# KiCad board F02-Func-Decoder-p.kicad_pcb (continued)
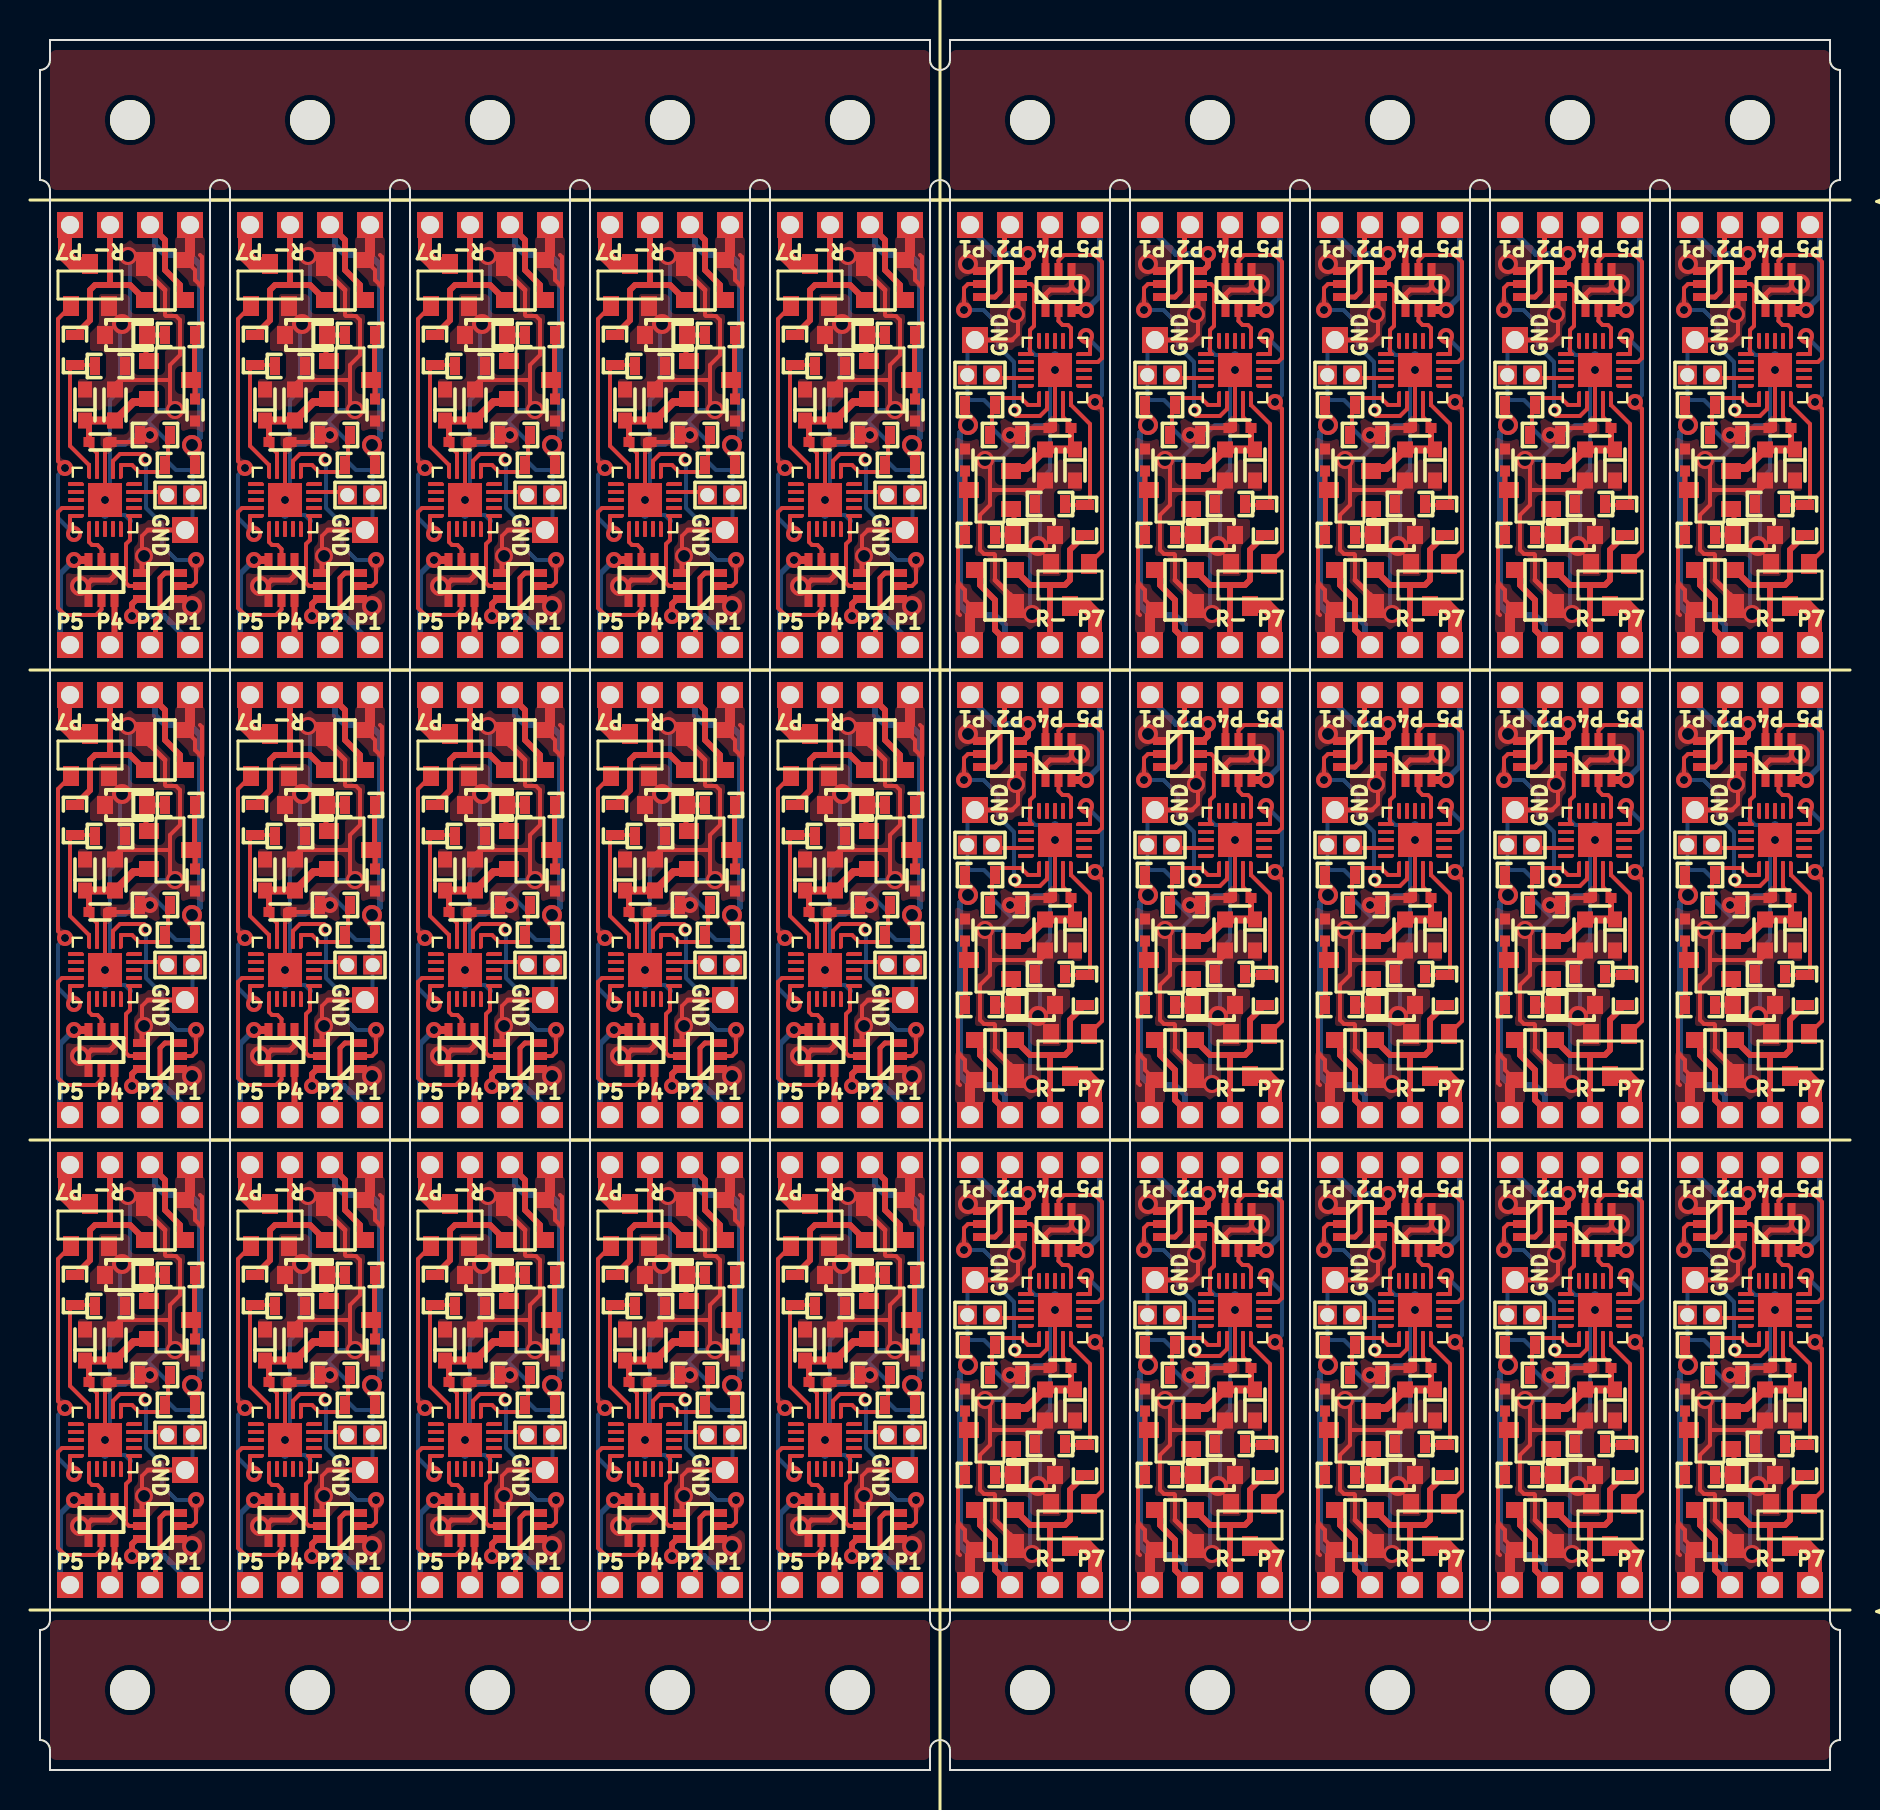
[diagram p0: board, top side]
## Routing (per net, layer and track width the routed paths; a pad name or vN(x,y) marks a point on that pad's centre or on a via; arc(x,y) is an arc through that point) (continued)
  Top w0.2: v3(6.75,68) 6.5,68.25 6.5,69.5 ; 7.25,11.35 7.4,11.2 v2(7.6,11.2) ; 59.75,43.5 U9#2.3 v1(59.75,46.5) ; 56.5,17 59.03,17 59.5,17.47 ; 56.5,17 56.5,18.25 v3(56.25,18.5) ; 56.5,17 56.5,16.25 56,15.75 56,14 56.2,13.8 56.7,13.8 56.75,13.75 56.75,12.5 ; 21.5,69.03 21.97,69.5 24.5,69.5 ; 6.5,46 6.5,44.75 v3(6.75,44.5) ; 6.5,46 3.97,46 3.5,45.53 ; 6.5,46 6.5,46.75 7,47.25 7,49 6.8,49.2 6.3,49.2 6.25,49.25 6.25,50.5 ; 82.75,51.65 82.6,51.8 v2(82.4,51.8) ; 75.6,71.5 75.9,71.8 75.9,72.7 ; 7.25,58.35 7.4,58.2 v2(7.6,58.2) ; 6.5,22.5 3.97,22.5 3.5,22.03 ; 6.5,22.5 6.5,21.25 v3(6.75,21) ; 6.5,22.5 6.5,23.25 7,23.75 7,25.5 6.8,25.7 6.3,25.7 6.25,25.75 6.25,27 ; v2(46.4,51.8) 46.6,51.8 46.75,51.65 ; v2(73.4,75.3) 73.6,75.3 73.75,75.15 ; 83.5,40.5 83.5,39.75 83,39.25 83,37.5 83.2,37.3 83.7,37.3 83.75,37.25 83.75,36 ; 83.5,40.5 86.03,40.5 86.5,40.97 ; 83.5,40.5 83.5,41.75 v3(83.25,42) ; 48.97,43.25 49.32,43.6 50.3,43.6 50.75,44.05 50.75,43.9 C37#2.2 ; v2(43.6,58.2) 43.4,58.2 43.25,58.35 ; 48.6,71.5 48.9,71.8 48.9,72.7 ; 59.5,64.47 59.03,64 56.5,64 ; 14.4,62 14.1,61.7 14.1,60.8 ; 32.1,60.8 32.1,61.7 32.4,62 ; 5.1,37.3 5.1,38.2 5.4,38.5 ; 39.25,43 U10.3 v1(39.25,40) ; 64.75,75.15 64.6,75.3 v2(64.4,75.3) ; v1(68.75,70) U13.3 68.75,67 ; v2(82.4,75.3) 82.6,75.3 82.75,75.15 ; 23.03,43.25 22.68,42.9 21.7,42.9 21.25,42.45 21.25,42.6 C29.2 ; 68.5,40.97 68.03,40.5 65.5,40.5 ; 21.25,66.5 U3#2.3 v1(21.25,63.5) ; 56.5,40.5 59.03,40.5 59.5,40.97 ; 56.5,40.5 56.5,39.75 56,39.25 56,37.5 56.2,37.3 56.7,37.3 56.75,37.25 56.75,36 ; 56.5,40.5 56.5,41.75 v3(56.25,42) ; v1(86.75,46.5) U6.3 86.75,43.5 ; 75.97,19.75 76.32,20.1 77.3,20.1 77.75,20.55 77.75,20.4 C5#2.2 ; 39.5,22.03 39.97,22.5 42.5,22.5 ; 33.5,46 33.5,46.75 34,47.25 34,49 33.8,49.2 33.3,49.2 33.25,49.25 33.25,50.5 ; 33.5,46 30.97,46 30.5,45.53 ; 33.5,46 33.5,44.75 v3(33.75,44.5) ; 6.25,74 6.25,72.75 6.3,72.7 6.8,72.7 7,72.5 7,70.75 6.5,70.25 6.5,69.5 ; 48.9,25.7 48.9,24.8 48.6,24.5 ; 48.9,26.6 Q18.4 ; 59.75,20 U4#2.3 v1(59.75,23) ; 23.1,13.8 23.1,14.7 23.4,15 ; 68.5,17.47 68.03,17 65.5,17 ; 86.75,20 U1#2.3 v1(86.75,23) ; 23.4,62 23.1,61.7 23.1,60.8 ; v3(47.25,65.5) 47.5,65.25 47.5,64 ; 86.75,22.05 86.75,21.5 ; 32.4,38.5 32.1,38.2 32.1,37.3 ; v1(77.75,23) U2.3 77.75,20 ; 42.5,69.5 42.5,68.25 v3(42.75,68) ; 42.5,69.5 42.5,70.25 43,70.75 43,72.5 42.8,72.7 42.3,72.7 42.25,72.75 42.25,74 ; 42.5,69.5 39.97,69.5 39.5,69.03 ; v2(16.6,34.7) 16.4,34.7 16.25,34.85 ; 15.5,22.5 15.5,23.25 16,23.75 16,25.5 15.8,25.7 15.3,25.7 15.25,25.75 15.25,27 ; 15.5,22.5 15.5,21.25 v3(15.75,21) ; 15.5,22.5 12.97,22.5 12.5,22.03 ; 23.4,38.5 23.1,38.2 23.1,37.3 ; 30.25,19.5 U14.3 v1(30.25,16.5) ; C5.2 12.25,66.1 12.25,65.95 12.7,66.4 13.67,66.4 14.03,66.75 ; v1(3.25,40) U6#2.3 3.25,43 ; 33.5,69.5 30.97,69.5 30.5,69.03 ; 33.5,69.5 33.5,68.25 v3(33.75,68) ; 33.5,69.5 33.5,70.25 34,70.75 34,72.5 33.8,72.7 33.3,72.7 33.25,72.75 33.25,74 ; 74.5,40.5 77.03,40.5 77.5,40.97 ; 74.5,40.5 74.5,41.75 v3(74.25,42) ; 74.5,40.5 74.5,39.75 74,39.25 74,37.5 74.2,37.3 74.7,37.3 74.75,37.25 74.75,36 ; 24.5,22.5 24.5,21.25 v3(24.75,21) ; 24.5,22.5 24.5,23.25 25,23.75 25,25.5 24.8,25.7 24.3,25.7 24.25,25.75 24.25,27 ; 24.5,22.5 21.97,22.5 21.5,22.03 ; v2(25.6,58.2) 25.4,58.2 25.25,58.35 ; C41#2.2 3.25,19.1 3.25,18.95 3.7,19.4 4.67,19.4 5.03,19.75 ; v3(74.25,65.5) 74.5,65.25 74.5,64 ; 65.5,64 68.03,64 68.5,64.47 ; 65.5,64 65.5,65.25 v3(65.25,65.5) ; 65.5,64 65.5,63.25 65,62.75 65,61 65.2,60.8 65.7,60.8 65.75,60.75 65.75,59.5 ; 50.5,64.47 50.03,64 47.5,64 ; 5.4,15 5.1,14.7 5.1,13.8 ; 84.97,43.25 85.32,43.6 86.3,43.6 86.75,44.05 86.75,43.9 C21.2 ; 57.6,71.5 57.9,71.8 57.9,72.7 ; 57.6,24.5 57.9,24.8 57.9,25.7 ; 12.25,66.5 U2#2.3 v1(12.25,63.5) ; v1(30.25,63.5) U4.3 30.25,66.5 ; 5.1,59.9 Q2#2.4 ; 84.6,71.5 84.9,71.8 84.9,72.7 ; 83.5,64 86.03,64 86.5,64.47 ; 83.5,64 83.5,63.25 83,62.75 83,61 83.2,60.8 83.7,60.8 83.75,60.75 83.75,59.5 ; 83.5,64 83.5,65.25 v3(83.25,65.5) ; 68.75,43.5 U8.3 v1(68.75,46.5) ; v3(83.25,18.5) 83.5,18.25 83.5,17 ; v1(77.75,46.5) U7#2.3 77.75,43.5 ; 5.03,43.25 4.67,42.9 3.7,42.9 3.25,42.45 3.25,42.6 C21#2.2 ; 75.9,26.6 Q6#2.4 ; 30.25,64.45 30.25,65 ; v1(30.25,40) U9.3 30.25,43 ; v1(50.75,70) U15.3 50.75,67 ; 68.75,69.05 68.75,68.5 ; 74.5,64 77.03,64 77.5,64.47 ; 74.5,64 74.5,63.25 74,62.75 74,61 74.2,60.8 74.7,60.8 74.75,60.75 74.75,59.5 ; 47.5,40.5 47.5,39.75 47,39.25 47,37.5 47.2,37.3 47.7,37.3 47.75,37.25 47.75,36 ; 47.5,40.5 50.03,40.5 50.5,40.97 ; 47.5,40.5 47.5,41.75 v3(47.25,42) ; 46.75,75.15 46.6,75.3 v2(46.4,75.3) ; v2(64.4,28.3) 64.6,28.3 64.75,28.15 ; 73.75,51.65 73.6,51.8 v2(73.4,51.8) ; C45#2.2 12.25,19.1 12.25,18.95 12.7,19.4 13.67,19.4 14.03,19.75 ; v3(24.75,44.5) 24.5,44.75 24.5,46 ; 7.25,34.85 7.4,34.7 v2(7.6,34.7) ; 24.5,46 24.5,46.75 25,47.25 25,49 24.8,49.2 24.3,49.2 24.25,49.25 24.25,50.5 ; 24.5,46 21.97,46 21.5,45.53 ; 21.25,17.45 21.25,18 ; 12.25,40.95 12.25,41.5 ; 65.5,17 65.5,16.25 65,15.75 65,14 65.2,13.8 65.7,13.8 65.75,13.75 65.75,12.5 ; 65.5,17 65.5,18.25 v3(65.25,18.5) ; 74.5,17 74.5,16.25 74,15.75 74,14 74.2,13.8 74.7,13.8 74.75,13.75 74.75,12.5 ; 74.5,17 77.03,17 77.5,17.47 ; 74.5,17 74.5,18.25 v3(74.25,18.5) ; 75.9,50.1 Q26#2.4 ; 3.5,69.03 3.97,69.5 6.5,69.5 ; C33#2.2 59.75,43.9 59.75,44.05 59.3,43.6 58.32,43.6 57.97,43.25 ; 41.1,59.9 Q18#2.4 ; 42.5,46 42.5,44.75 v3(42.75,44.5) ; 42.5,46 42.5,46.75 43,47.25 43,49 42.8,49.2 42.3,49.2 42.25,49.25 42.25,50.5 ; 42.5,46 39.97,46 39.5,45.53 ; C41.2 86.75,67.4 86.75,67.55 86.3,67.1 85.32,67.1 84.97,66.75 ; 57.9,73.6 Q54.4 ; 33.5,22.5 33.5,21.25 v3(33.75,21) ; 33.5,22.5 33.5,23.25 34,23.75 34,25.5 33.8,25.7 33.3,25.7 33.25,25.75 33.25,27 ; 33.5,22.5 30.97,22.5 30.5,22.03 ; 14.1,59.9 Q6.4 ; 12.25,17.45 12.25,18 ; 15.25,50.5 15.25,49.25 15.3,49.2 15.8,49.2 16,49 16,47.25 15.5,46.75 15.5,46 ; C45.2 77.75,67.4 77.75,67.55 77.3,67.1 76.32,67.1 75.97,66.75 ; v2(55.4,75.3) 55.6,75.3 55.75,75.15 ; 48.6,48 48.9,48.3 48.9,49.2 ; 66.97,66.75 67.32,67.1 68.3,67.1 68.75,67.55 68.75,67.4 C49#2.2 ; C33.2 30.25,42.6 30.25,42.45 30.7,42.9 31.68,42.9 32.03,43.25 ; 50.75,20 U5.3 v1(50.75,23) ; 39.25,17.45 39.25,18 ; 32.1,12.9 Q54#2.4 ; 25.25,11.35 25.4,11.2 v2(25.6,11.2) ; 66.97,19.75 67.32,20.1 68.3,20.1 68.75,20.55 68.75,20.4 C9#2.2 ; 83.5,17 86.03,17 86.5,17.47 ; 83.5,17 83.5,16.25 83,15.75 83,14 83.2,13.8 83.7,13.8 83.75,13.75 83.75,12.5 ; 47.5,17 50.03,17 50.5,17.47 ; 47.5,17 47.5,18.25 v3(47.25,18.5) ; 47.5,17 47.5,16.25 47,15.75 47,14 47.2,13.8 47.7,13.8 47.75,13.75 47.75,12.5 ; C9.2 21.25,66.1 21.25,65.95 21.7,66.4 22.68,66.4 23.03,66.75 ; 59.75,45.55 59.75,45 ; 50.75,45.55 50.75,45 ; 57.9,50.1 Q34.4 ; 77.75,67 U12.3 v1(77.75,70) ; 41.1,12.9 Q58.4 ; 42.5,22.5 42.5,21.25 v3(42.75,21) ; 42.5,22.5 42.5,23.25 43,23.75 43,25.5 42.8,25.7 42.3,25.7 42.25,25.75 42.25,27 ; v2(73.4,28.3) 73.6,28.3 73.75,28.15 ; 16.25,58.35 16.4,58.2 v2(16.6,58.2) ; 59.75,69.05 59.75,68.5 ; v3(15.75,44.5) 15.5,44.75 15.5,46 ; 66.9,73.6 Q50#2.4 ; 56.5,64 56.5,63.25 56,62.75 56,61 56.2,60.8 56.7,60.8 56.75,60.75 56.75,59.5 ; 56.5,64 56.5,65.25 v3(56.25,65.5) ; 24.5,69.5 24.5,68.25 v3(24.75,68) ; 24.5,69.5 24.5,70.25 25,70.75 25,72.5 24.8,72.7 24.3,72.7 24.25,72.75 24.25,74 ; 57.97,66.75 58.32,67.1 59.3,67.1 59.75,67.55 59.75,67.4 C53#2.2 ; v1(12.25,16.5) U12#2.3 12.25,19.5 ; 34.25,34.85 34.4,34.7 v2(34.6,34.7) ; v2(82.4,28.3) 82.6,28.3 82.75,28.15 ; 65.5,40.5 65.5,39.75 65,39.25 65,37.5 65.2,37.3 65.7,37.3 65.75,37.25 65.75,36 ; 65.5,40.5 65.5,41.75 v3(65.25,42) ; 3.25,17.45 3.25,18 ; 77.75,22.05 77.75,21.5 ; 59.75,22.05 59.75,21.5 ; 68.75,22.05 68.75,21.5 ; C57#2.2 39.25,19.1 39.25,18.95 39.7,19.4 40.68,19.4 41.03,19.75 ; 14.03,43.25 13.67,42.9 12.7,42.9 12.25,42.45 12.25,42.6 C25#2.2 ; 47.5,64 47.5,63.25 47,62.75 47,61 47.2,60.8 47.7,60.8 47.75,60.75 47.75,59.5 ; 34.25,11.35 34.4,11.2 v2(34.6,11.2) ; 14.4,38.5 14.1,38.2 14.1,37.3 ; 68.75,45.55 68.75,45 ; 84.9,26.6 Q2.4 ; 39.25,64.45 39.25,65 ; 41.03,66.75 40.68,66.4 39.7,66.4 39.25,65.95 39.25,66.1 C17#2.2 ; 66.9,49.2 66.9,48.3 66.6,48 ; v1(50.75,46.5) U10#2.3 50.75,43.5 ; 55.75,28.15 55.6,28.3 v2(55.4,28.3) ; 41.1,13.8 41.1,14.7 41.4,15 ; 55.75,51.65 55.6,51.8 v2(55.4,51.8) ; 48.9,73.6 Q58#2.4 ; 14.1,36.4 Q26.4 ; 66.9,50.1 Q30.4 ; 66.9,26.6 Q10.4 ; 77.75,45.55 77.75,45 ; 84.6,48 84.9,48.3 84.9,49.2 ; C17.2 50.75,20.4 50.75,20.55 50.3,20.1 49.32,20.1 48.97,19.75 ; v1(21.25,16.5) U13#2.3 21.25,19.5 ; C1#2.2 3.25,66.1 3.25,65.95 3.7,66.4 4.67,66.4 5.03,66.75 ; 86.75,67 U11.3 v1(86.75,70) ; C49.2 21.25,19.1 21.25,18.95 21.7,19.4 22.68,19.4 23.03,19.75 ; 50.75,69.05 50.75,68.5 ; v1(21.25,40) U8#2.3 21.25,43 ; 84.97,19.75 85.32,20.1 86.3,20.1 86.75,20.55 86.75,20.4 C1.2 ; 23.1,59.9 Q10#2.4 ; 75.97,43.25 76.32,43.6 77.3,43.6 77.75,44.05 77.75,43.9 C25.2 ; 66.6,71.5 66.9,71.8 66.9,72.7 ; 41.1,36.4 Q38.4 ; 15.5,69.5 15.5,70.25 16,70.75 16,72.5 15.8,72.7 15.3,72.7 15.25,72.75 15.25,74 ; 15.5,69.5 12.97,69.5 12.5,69.03 ; 15.5,69.5 15.5,68.25 v3(15.75,68) ; 32.03,66.75 31.68,66.4 30.7,66.4 30.25,65.95 30.25,66.1 C13#2.2 ; 5.1,12.9 Q42#2.4 ; 57.9,49.2 57.9,48.3 57.6,48 ; C57.2 50.75,67.4 50.75,67.55 50.3,67.1 49.32,67.1 48.97,66.75 ; C53.2 30.25,19.1 30.25,18.95 30.7,19.4 31.68,19.4 32.03,19.75 ; 84.9,50.1 Q22#2.4 ; 34.25,58.35 34.4,58.2 v2(34.6,58.2) ; v1(59.75,70) U14#2.3 59.75,67 ; 32.4,15 32.1,14.7 32.1,13.8 ; C37.2 39.25,42.6 39.25,42.45 39.7,42.9 40.68,42.9 41.03,43.25 ; 5.1,60.8 5.1,61.7 5.4,62 ; 30.25,40.95 30.25,41.5 ; 3.25,64.45 3.25,65 ; 32.1,36.4 Q34#2.4 ; 14.4,15 14.1,14.7 14.1,13.8 ; 41.4,62 41.1,61.7 41.1,60.8 ; 46.75,28.15 46.6,28.3 v2(46.4,28.3) ; v1(3.25,16.5) U11#2.3 3.25,19.5 ; 12.25,43 U7.3 v1(12.25,40) ; v1(3.25,63.5) U1.3 3.25,66.5 ; 57.9,26.6 Q14.4 ; 48.9,50.1 Q38#2.4 ; 21.25,64.45 21.25,65 ; 14.1,12.9 Q46.4 ; 12.5,45.53 12.97,46 15.5,46 ; v2(25.6,34.7) 25.4,34.7 25.25,34.85 ; 39.25,19.5 U15#2.3 v1(39.25,16.5) ; 75.9,25.7 75.9,24.8 75.6,24.5 ; v2(16.6,11.2) 16.4,11.2 16.25,11.35 ; 50.75,22.05 50.75,21.5 ; 43.25,34.85 43.4,34.7 v2(43.6,34.7) ; 39.25,66.5 U5#2.3 v1(39.25,63.5) ; 3.25,40.95 3.25,41.5 ; v1(68.75,23) U3.3 68.75,20 ; 12.25,64.45 12.25,65 ; 23.1,12.9 Q50.4 ; 66.6,24.5 66.9,24.8 66.9,25.7 ; 43.25,11.35 43.4,11.2 v2(43.6,11.2) ; 77.75,69.05 77.75,68.5 ; 41.1,37.3 41.1,38.2 41.4,38.5 ; 66.97,43.25 67.32,43.6 68.3,43.6 68.75,44.05 68.75,43.9 C29#2.2 ; 84.6,24.5 84.9,24.8 84.9,25.7 ; 21.25,40.95 21.25,41.5 ; 86.75,45.55 86.75,45 ; 75.6,48 75.9,48.3 75.9,49.2 ; 75.9,73.6 Q46#2.4 ; 39.25,40.95 39.25,41.5 ; 5.1,36.4 Q22.4 ; 64.75,51.65 64.6,51.8 v2(64.4,51.8) ; C13.2 59.75,20.4 59.75,20.55 59.3,20.1 58.32,20.1 57.97,19.75 ; 84.9,73.6 Q42.4 ; 30.25,17.45 30.25,18 ; 23.1,36.4 Q30#2.4 ; 32.1,59.9 Q14#2.4 ; 86.75,69.05 86.75,68.5
  Top w0.25: 75.5,58.75 74.75,59.5 ; 57.9,72.7 57.9,73.6 ; Q56#2.1 59.28,73.78 59.5,74 60.43,74 60.57,74.15 Q56#2.4 ; Q56.1 30.72,12.72 30.5,12.5 29.57,12.5 29.43,12.35 Q56.4 ; Q12.4 69.57,27.15 69.43,27 68.5,27 68.28,26.78 Q12.1 ; 41.4,62 P24#2.1 ; Q40.1 39.72,36.22 39.5,36 38.57,36 38.43,35.85 Q40.4 ; 84.5,11.75 83.75,12.5 ; Q24.4 2.42,35.85 2.58,36 3.5,36 3.72,36.22 3.72,36.95 ; 5.4,62 P4#2.1 ; Q8.4 11.42,59.35 11.58,59.5 12.5,59.5 12.72,59.72 12.72,60.45 ; Q44.4 2.42,12.35 2.58,12.5 3.5,12.5 3.72,12.72 3.72,13.45 ; Q28.1 77.28,50.28 77.5,50.5 78.43,50.5 78.57,50.65 Q28.4 ; 14.4,38.5 P34#2.1 ; Q32#2.4 69.57,50.65 69.43,50.5 68.5,50.5 68.28,50.28 Q32#2.1 ; 23.4,38.5 P39.1 ; 57.6,48 P44#2.1 ; 5.4,15 P54.1 ; 5.5,27.75 6.25,27 ; 14.5,74.75 15.25,74 ; Q4.4 2.42,59.35 2.58,59.5 3.5,59.5 3.72,59.72 3.72,60.45 ; 5.1,13.8 5.1,12.9 ; Q36#2.1 59.28,50.28 59.5,50.5 60.43,50.5 60.57,50.65 Q36#2.4 ; Q52.1 68.28,73.78 68.5,74 69.43,74 69.57,74.15 Q52.4 ; 84.9,49.2 84.9,50.1 ; 75.9,25.7 75.9,26.6 ; 66.6,48 P39#2.1 ; 23.1,13.8 23.1,12.9 ; Q8#2.1 77.28,26.78 77.5,27 78.43,27 78.57,27.15 Q8#2.4 ; 14.4,15 P59#2.1 ; 32.4,38.5 P44.1 ; 41.1,13.8 41.1,12.9 ; 41.4,38.5 P49.1 ; 66.6,71.5 P64#2.1 ; 48.9,25.7 48.9,26.6 ; 57.6,24.5 P19#2.1 ; 66.5,58.75 65.75,59.5 ; 66.9,25.7 66.9,26.6 ; 57.5,58.75 56.75,59.5 ; 32.1,13.8 32.1,12.9 ; Q12#2.4 20.42,59.35 20.58,59.5 21.5,59.5 21.72,59.72 Q12#2.1 ; 14.5,51.25 15.25,50.5 ; Q36.4 29.43,35.85 29.57,36 30.5,36 30.72,36.22 Q36.1 ; 32.5,74.75 33.25,74 ; 41.5,74.75 42.25,74 ; 48.9,72.7 48.9,73.6 ; Q28#2.4 11.42,35.85 11.58,36 12.5,36 12.72,36.22 12.72,36.95 ; 32.1,37.3 32.1,36.4 ; Q20.1 39.72,59.72 39.5,59.5 38.57,59.5 38.43,59.35 Q20.4 ; 32.4,62 P19.1 ; 57.9,49.2 57.9,50.1 ; 32.5,27.75 33.25,27 ; 14.1,37.3 14.1,36.4 ; 48.6,48 P49#2.1 ; 75.6,24.5 P9#2.1 ; Q24#2.1 86.28,50.28 86.5,50.5 87.43,50.5 87.57,50.65 Q24#2.4 ; 14.5,27.75 15.25,27 ; Q20#2.4 51.57,27.15 51.43,27 50.5,27 50.28,26.78 Q20#2.1 ; 23.4,15 P64.1 ; Q40#2.1 50.28,50.28 50.5,50.5 51.43,50.5 51.57,50.65 Q40#2.4 ; 12.72,13.45 12.72,12.72 12.5,12.5 11.58,12.5 11.42,12.35 Q48.4 ; Q16.1 59.28,26.78 59.5,27 60.43,27 60.57,27.15 Q16.4 ; Q32.4 20.42,35.85 20.58,36 21.5,36 21.72,36.22 Q32.1 ; 57.5,11.75 56.75,12.5 ; 5.4,38.5 P29#2.1 ; 66.9,49.2 66.9,50.1 ; Q44#2.4 87.57,74.15 87.43,74 86.5,74 86.28,73.78 Q44#2.1 ; 75.6,71.5 P59.1 ; 84.5,58.75 83.75,59.5 ; 84.6,24.5 P4.1 ; 57.6,71.5 P69.1 ; 48.5,35.25 47.75,36 ; 84.9,25.7 84.9,26.6 ; 41.1,37.3 41.1,36.4 ; Q52#2.4 20.42,12.35 20.58,12.5 21.5,12.5 21.72,12.72 Q52#2.1 ; 57.5,35.25 56.75,36 ; Q4#2.4 87.57,27.15 87.43,27 86.5,27 86.28,26.78 Q4#2.1 ; 66.5,11.75 65.75,12.5 ; 48.5,11.75 47.75,12.5 ; 41.5,51.25 42.25,50.5 ; Q16#2.1 30.72,59.72 30.5,59.5 29.57,59.5 29.43,59.35 Q16#2.4 ; 66.5,35.25 65.75,36 ; 5.1,37.3 5.1,36.4 ; 23.5,51.25 24.25,50.5 ; 75.5,11.75 74.75,12.5 ; 41.4,15 P74#2.1 ; Q60.4 51.57,74.15 51.43,74 50.5,74 50.28,73.78 Q60.1 ; 48.9,49.2 48.9,50.1 ; Q48#2.1 77.28,73.78 77.5,74 78.43,74 78.57,74.15 Q48#2.4 ; Q60#2.4 38.43,12.35 38.57,12.5 39.5,12.5 39.72,12.72 Q60#2.1 ; 48.6,24.5 P24.1 ; 84.6,48 P29.1 ; 48.5,58.75 47.75,59.5 ; 41.1,60.8 41.1,59.9 ; 23.4,62 P14.1 ; 32.5,51.25 33.25,50.5 ; 75.9,72.7 75.9,73.6 ; 84.9,72.7 84.9,73.6 ; 48.6,71.5 P74.1 ; 66.9,72.7 66.9,73.6 ; 57.9,25.7 57.9,26.6 ; 66.6,24.5 P14#2.1 ; 75.9,49.2 75.9,50.1 ; 5.5,51.25 6.25,50.5 ; 32.4,15 P69#2.1 ; 84.5,35.25 83.75,36 ; 5.1,60.8 5.1,59.9 ; 32.1,60.8 32.1,59.9 ; 84.6,71.5 P54#2.1 ; 75.5,35.25 74.75,36 ; 14.1,13.8 14.1,12.9 ; 14.4,62 P9.1 ; 75.6,48 P34.1 ; 23.1,37.3 23.1,36.4 ; 14.1,60.8 14.1,59.9 ; 23.1,60.8 23.1,59.9 ; 23.5,27.75 24.25,27 ; 41.5,27.75 42.25,27 ; 5.5,74.75 6.25,74 ; 23.5,74.75 24.25,74
  Top w0.3: 48.5,10.95 48.5,11.75 ; 32.5,52.05 32.5,51.25 ; 23.5,52.05 23.5,51.25 ; 14.5,75.55 14.5,74.75 ; 32.5,28.55 32.5,27.75 ; 75.5,57.95 75.5,58.75 ; 5.5,28.55 5.5,27.75 ; 14.5,28.55 14.5,27.75 ; 32.5,75.55 32.5,74.75 ; 57.5,34.45 57.5,35.25 ; 84.5,10.95 84.5,11.75 ; 57.5,57.95 57.5,58.75 ; 66.5,34.45 66.5,35.25 ; 5.5,52.05 5.5,51.25 ; 66.5,10.95 66.5,11.75 ; 41.5,75.55 41.5,74.75 ; 84.5,57.95 84.5,58.75 ; 23.5,75.55 23.5,74.75 ; 84.5,34.45 84.5,35.25 ; 5.5,75.55 5.5,74.75 ; 57.5,10.95 57.5,11.75 ; 23.5,28.55 23.5,27.75 ; 48.5,57.95 48.5,58.75 ; 41.5,52.05 41.5,51.25 ; 75.5,10.95 75.5,11.75 ; 75.5,34.45 75.5,35.25 ; 41.5,28.55 41.5,27.75 ; 66.5,57.95 66.5,58.75 ; 14.5,52.05 14.5,51.25 ; 48.5,34.45 48.5,35.25
  Bottom w0.2: 14.4,20.4 15.4,19.4 15.4,18.4 15.8,18 16.5,18 16.64,17.86 P60#2.2 16.64,15.39 P59#2.1 ; 14.4,20.4 13.25,19.25 12.5,19.25 ; 14.4,20.4 15,21 v3(15.75,21) ; v3(42.75,21) 42,21 41.4,20.4 ; 41.4,20.4 42.4,19.4 42.4,18.4 42.8,18 43.5,18 43.63,17.86 P75.2 43.63,15.39 P74#2.1 ; 41.4,20.4 40.25,19.25 39.5,19.25 ; 77.75,47.25 76.75,47.25 76.45,47.55 ; 14.4,67.4 15,68 v3(15.75,68) ; 14.4,67.4 13.25,66.25 12.5,66.25 ; 14.4,67.4 15.4,66.4 15.4,65.4 15.8,65 16.5,65 16.64,64.86 P10#2.2 16.64,62.39 P9.1 ; 86.5,43.75 86.5,41.5 86,41 86,37.8 v2(85.9,37.7) 85.5,37.3 85.5,34.3 ; 86.5,43.75 85.75,43.75 84.6,42.6 ; 86.5,43.75 86.5,46.75 ; 75.6,42.6 74.6,43.6 74.6,44.6 74.2,45 73.5,45 73.37,45.14 P35#2.2 73.37,47.61 P34.1 ; 75.6,42.6 76.75,43.75 77.5,43.75 ; 75.6,42.6 75,42 v3(74.25,42) ; 48.6,66.1 49.75,67.25 50.5,67.25 ; 48.6,66.1 47.6,67.1 47.6,68.1 47.2,68.5 46.5,68.5 46.37,68.64 P75#2.2 46.37,71.12 P74.1 ; 48.6,66.1 48,65.5 v3(47.25,65.5) ; 77.75,70.75 76.75,70.75 76.45,71.05 ; 59.75,23.75 58.75,23.75 58.45,24.05 ; 4.55,62.45 4.25,62.75 3.25,62.75 ; 77.5,20.25 76.75,20.25 75.6,19.1 ; 77.5,20.25 77.5,18 77,17.5 77,14.3 v2(76.9,14.2) 76.5,13.8 76.5,10.8 ; 77.5,20.25 77.5,23.25 ; 39.5,42.75 39.5,45 40,45.5 40,48.7 v2(40.1,48.8) 40.5,49.2 40.5,52.2 ; 39.5,42.75 40.25,42.75 41.4,43.9 ; 39.5,42.75 39.5,39.75 ; 50.5,67.25 50.5,65 50,64.5 50,61.3 v2(49.9,61.2) 49.5,60.8 49.5,57.8 ; 50.5,67.25 50.5,70.25 ; 76.5,34.3 76.5,37.3 v2(76.9,37.7) 77,37.8 77,41 77.5,41.5 77.5,43.75 ; 5.4,67.4 4.25,66.25 3.5,66.25 ; 5.4,67.4 6.4,66.4 6.4,65.4 6.8,65 7.5,65 7.64,64.86 P5.2 7.64,62.39 P4#2.1 ; 5.4,67.4 6,68 v3(6.75,68) ; v3(74.25,18.5) 75,18.5 75.6,19.1 ; 59.5,67.25 58.75,67.25 57.6,66.1 ; 59.5,67.25 59.5,65 59,64.5 59,61.3 v2(58.9,61.2) 58.5,60.8 58.5,57.8 ; 59.5,67.25 59.5,70.25 ; 58.45,71.05 58.75,70.75 59.75,70.75 ; 40.55,62.45 40.25,62.75 39.25,62.75 ; 77.5,70.25 77.5,67.25 ; 77.5,67.25 77.5,65 77,64.5 77,61.3 v2(76.9,61.2) 76.5,60.8 76.5,57.8 ; 77.5,67.25 76.75,67.25 75.6,66.1 ; 50.5,20.25 49.75,20.25 48.6,19.1 ; 50.5,20.25 50.5,18 50,17.5 50,14.3 v2(49.9,14.2) 49.5,13.8 49.5,10.8 ; 50.5,20.25 50.5,23.25 ; 84.6,66.1 83.6,67.1 83.6,68.1 83.2,68.5 82.5,68.5 82.37,68.64 P55.2 82.37,71.12 P54#2.1 ; 84.6,66.1 84,65.5 v3(83.25,65.5) ; 84.6,66.1 85.75,67.25 86.5,67.25 ; 30.5,19.25 30.5,21.5 31,22 31,25.2 v2(31.1,25.3) 31.5,25.7 31.5,28.7 ; 30.5,19.25 30.5,16.25 ; 30.5,19.25 31.25,19.25 32.4,20.4 ; P14#2.1 64.37,24.11 P15#2.2 64.37,21.64 64.5,21.5 65.2,21.5 65.6,21.1 65.6,20.1 66.6,19.1 ; 12.5,39.75 12.5,42.75 ; 12.5,42.75 12.5,45 13,45.5 13,48.7 v2(13.1,48.8) 13.5,49.2 13.5,52.2 ; 12.5,42.75 13.25,42.75 14.4,43.9 ; 57.6,42.6 56.6,43.6 56.6,44.6 56.2,45 55.5,45 55.37,45.14 P45.2 55.37,47.61 P44#2.1 ; 57.6,42.6 57,42 v3(56.25,42) ; 57.6,42.6 58.75,43.75 59.5,43.75 ; 5.4,20.4 6,21 v3(6.75,21) ; 5.4,20.4 4.25,19.25 3.5,19.25 ; 5.4,20.4 6.4,19.4 6.4,18.4 6.8,18 7.5,18 7.64,17.86 P55#2.2 7.64,15.39 P54.1 ; 75.6,66.1 75,65.5 v3(74.25,65.5) ; 75.6,66.1 74.6,67.1 74.6,68.1 74.2,68.5 73.5,68.5 73.37,68.64 P60.2 73.37,71.12 P59.1 ; 3.5,66.25 3.5,63.25 ; 3.5,66.25 3.5,68.5 4,69 4,72.2 v2(4.1,72.3) 4.5,72.7 4.5,75.7 ; 39.25,15.75 40.25,15.75 40.55,15.45 ; 50.75,23.75 49.75,23.75 49.45,24.05 ; 75.6,19.1 74.6,20.1 74.6,21.1 74.2,21.5 73.5,21.5 73.37,21.64 P10.2 73.37,24.11 P9#2.1 ; 59.5,20.25 58.75,20.25 57.6,19.1 ; 59.5,20.25 59.5,18 59,17.5 59,14.3 v2(58.9,14.2) 58.5,13.8 58.5,10.8 ; 59.5,20.25 59.5,23.25 ; v3(47.25,42) 48,42 48.6,42.6 ; 21.5,63.25 21.5,66.25 ; 21.5,66.25 21.5,68.5 22,69 22,72.2 v2(22.1,72.3) 22.5,72.7 22.5,75.7 ; 21.5,66.25 22.25,66.25 23.4,67.4 ; 22.5,28.7 22.5,25.7 v2(22.1,25.3) 22,25.2 22,22 21.5,21.5 21.5,19.25 ; 66.6,66.1 65.6,67.1 65.6,68.1 65.2,68.5 64.5,68.5 64.37,68.64 P65#2.2 64.37,71.12 P64#2.1 ; 66.6,66.1 67.75,67.25 68.5,67.25 ; 66.6,66.1 66,65.5 v3(65.25,65.5) ; P69.1 55.37,71.12 P70#2.2 55.37,68.64 55.5,68.5 56.2,68.5 56.6,68.1 56.6,67.1 57.6,66.1 ; 31.55,62.45 31.25,62.75 30.25,62.75 ; 22.5,52.2 22.5,49.2 v2(22.1,48.8) 22,48.7 22,45.5 21.5,45 21.5,42.75 ; 12.25,62.75 13.25,62.75 13.55,62.45 ; 86.5,70.25 86.5,67.25 ; 86.5,67.25 86.5,65 86,64.5 86,61.3 v2(85.9,61.2) 85.5,60.8 85.5,57.8 ; 49.45,47.55 49.75,47.25 50.75,47.25 ; 66.6,42.6 66,42 v3(65.25,42) ; 66.6,42.6 67.75,43.75 68.5,43.75 ; 66.6,42.6 65.6,43.6 65.6,44.6 65.2,45 64.5,45 64.37,45.14 P40#2.2 64.37,47.61 P39#2.1 ; 86.5,20.25 86.5,18 86,17.5 86,14.3 v2(85.9,14.2) 85.5,13.8 85.5,10.8 ; 86.5,20.25 86.5,23.25 ; 86.5,20.25 85.75,20.25 84.6,19.1 ; v3(47.25,18.5) 48,18.5 48.6,19.1 ; 68.5,43.75 68.5,46.75 ; 68.5,43.75 68.5,41.5 68,41 68,37.8 v2(67.9,37.7) 67.5,37.3 67.5,34.3 ; 48.6,19.1 47.6,20.1 47.6,21.1 47.2,21.5 46.5,21.5 46.37,21.64 P25.2 46.37,24.11 P24.1 ; 77.5,43.75 77.5,46.75 ; 39.5,66.25 39.5,68.5 40,69 40,72.2 v2(40.1,72.3) 40.5,72.7 40.5,75.7 ; 39.5,66.25 40.25,66.25 41.4,67.4 ; 39.5,66.25 39.5,63.25 ; 3.5,19.25 3.5,16.25 ; 3.5,19.25 3.5,21.5 4,22 4,25.2 v2(4.1,25.3) 4.5,25.7 4.5,28.7 ; 41.4,43.9 42,44.5 v3(42.75,44.5) ; 41.4,43.9 42.4,42.9 42.4,41.9 42.8,41.5 43.5,41.5 43.63,41.36 P50#2.2 43.63,38.89 P49.1 ; 4.55,38.95 4.25,39.25 3.25,39.25 ; v3(15.75,44.5) 15,44.5 14.4,43.9 ; 67.45,24.05 67.75,23.75 68.75,23.75 ; v3(33.75,21) 33,21 32.4,20.4 ; 67.45,71.05 67.75,70.75 68.75,70.75 ; 21.25,15.75 22.25,15.75 22.55,15.45 ; 39.5,16.25 39.5,19.25 ; 39.5,19.25 39.5,21.5 40,22 40,25.2 v2(40.1,25.3) 40.5,25.7 40.5,28.7 ; 21.5,16.25 21.5,19.25 ; 21.5,19.25 22.25,19.25 23.4,20.4 ; 48.6,42.6 47.6,43.6 47.6,44.6 47.2,45 46.5,45 46.37,45.14 P50.2 46.37,47.61 P49#2.1 ; 48.6,42.6 49.75,43.75 50.5,43.75 ; P4.1 82.37,24.11 P5#2.2 82.37,21.64 82.5,21.5 83.2,21.5 83.6,21.1 83.6,20.1 84.6,19.1 ; 68.5,20.25 68.5,18 68,17.5 68,14.3 v2(67.9,14.2) 67.5,13.8 67.5,10.8 ; 68.5,20.25 67.75,20.25 66.6,19.1 ; 68.5,20.25 68.5,23.25 ; 41.4,67.4 42,68 v3(42.75,68) ; 41.4,67.4 42.4,66.4 42.4,65.4 42.8,65 43.5,65 43.63,64.86 P25#2.2 43.63,62.39 P24#2.1 ; v3(56.25,65.5) 57,65.5 57.6,66.1 ; 3.5,42.75 4.25,42.75 5.4,43.9 ; 3.5,42.75 3.5,39.75 ; 3.5,42.75 3.5,45 4,45.5 4,48.7 v2(4.1,48.8) 4.5,49.2 4.5,52.2 ; P39.1 25.63,38.89 P40.2 25.63,41.36 25.5,41.5 24.8,41.5 24.4,41.9 24.4,42.9 23.4,43.9 ; 5.4,43.9 6,44.5 v3(6.75,44.5) ; 5.4,43.9 6.4,42.9 6.4,41.9 6.8,41.5 7.5,41.5 7.64,41.36 P30.2 7.64,38.89 P29#2.1 ; 12.5,63.25 12.5,66.25 ; 12.5,66.25 12.5,68.5 13,69 13,72.2 v2(13.1,72.3) 13.5,72.7 13.5,75.7 ; 23.4,67.4 24,68 v3(24.75,68) ; 23.4,67.4 24.4,66.4 24.4,65.4 24.8,65 25.5,65 25.63,64.86 P15.2 25.63,62.39 P14.1 ; v3(83.25,42) 84,42 84.6,42.6 ; 21.5,42.75 22.25,42.75 23.4,43.9 ; 21.5,42.75 21.5,39.75 ; 86.75,47.25 85.75,47.25 85.45,47.55 ; 32.4,43.9 31.25,42.75 30.5,42.75 ; 32.4,43.9 33.4,42.9 33.4,41.9 33.8,41.5 34.5,41.5 34.63,41.36 P45#2.2 34.63,38.89 P44.1 ; 32.4,43.9 33,44.5 v3(33.75,44.5) ; 32.4,20.4 33.4,19.4 33.4,18.4 33.8,18 34.5,18 34.63,17.86 P70.2 34.63,15.39 P69#2.1 ; 68.5,67.25 68.5,70.25 ; 68.5,67.25 68.5,65 68,64.5 68,61.3 v2(67.9,61.2) 67.5,60.8 67.5,57.8 ; 30.5,66.25 31.25,66.25 32.4,67.4 ; 30.5,66.25 30.5,63.25 ; 30.5,66.25 30.5,68.5 31,69 31,72.2 v2(31.1,72.3) 31.5,72.7 31.5,75.7 ; 85.45,71.05 85.75,70.75 86.75,70.75 ; 66.6,19.1 66,18.5 v3(65.25,18.5) ; 23.4,43.9 24,44.5 v3(24.75,44.5) ; 84.6,42.6 83.6,43.6 83.6,44.6 83.2,45 82.5,45 82.37,45.14 P30#2.2 82.37,47.61 P29.1 ; 23.4,20.4 24,21 v3(24.75,21) ; 23.4,20.4 24.4,19.4 24.4,18.4 24.8,18 25.5,18 25.63,17.86 P65.2 25.63,15.39 P64.1 ; 30.5,39.75 30.5,42.75 ; 30.5,42.75 30.5,45 31,45.5 31,48.7 v2(31.1,48.8) 31.5,49.2 31.5,52.2 ; v3(33.75,68) 33,68 32.4,67.4 ; 12.5,16.25 12.5,19.25 ; 12.5,19.25 12.5,21.5 13,22 13,25.2 v2(13.1,25.3) 13.5,25.7 13.5,28.7 ; 50.75,70.75 49.75,70.75 49.45,71.05 ; 85.45,24.05 85.75,23.75 86.75,23.75 ; 21.25,62.75 22.25,62.75 22.55,62.45 ; 59.5,43.75 59.5,46.75 ; 59.5,43.75 59.5,41.5 59,41 59,37.8 v2(58.9,37.7) 58.5,37.3 58.5,34.3 ; 14.4,43.9 15.4,42.9 15.4,41.9 15.8,41.5 16.5,41.5 16.64,41.36 P35.2 16.64,38.89 P34#2.1 ; 32.4,67.4 33.4,66.4 33.4,65.4 33.8,65 34.5,65 34.63,64.86 P20.2 34.63,62.39 P19.1 ; 50.5,43.75 50.5,41.5 50,41 50,37.8 v2(49.9,37.7) 49.5,37.3 49.5,34.3 ; 50.5,43.75 50.5,46.75 ; 13.55,38.95 13.25,39.25 12.25,39.25 ; 12.25,15.75 13.25,15.75 13.55,15.45 ; 76.45,24.05 76.75,23.75 77.75,23.75 ; 84.6,19.1 84,18.5 v3(83.25,18.5) ; 21.25,39.25 22.25,39.25 22.55,38.95 ; 39.25,39.25 40.25,39.25 40.55,38.95 ; 57.6,19.1 56.6,20.1 56.6,21.1 56.2,21.5 55.5,21.5 55.37,21.64 P20#2.2 55.37,24.11 P19#2.1 ; 57.6,19.1 57,18.5 v3(56.25,18.5) ; 30.25,15.75 31.25,15.75 31.55,15.45 ; 4.55,15.45 4.25,15.75 3.25,15.75 ; 30.25,39.25 31.25,39.25 31.55,38.95 ; 67.45,47.55 67.75,47.25 68.75,47.25 ; 58.45,47.55 58.75,47.25 59.75,47.25
  Bottom w0.4: 39.25,62.75 v1(39.25,63.5) ; 12.25,15.75 v1(12.25,16.5) ; 50.75,70.75 v1(50.75,70) ; 3.25,62.75 v1(3.25,63.5) ; 3.25,39.25 v1(3.25,40) ; 12.25,62.75 v1(12.25,63.5) ; 30.25,62.75 v1(30.25,63.5) ; 30.25,39.25 v1(30.25,40) ; 39.25,15.75 v1(39.25,16.5) ; 12.25,39.25 v1(12.25,40) ; 3.25,15.75 v1(3.25,16.5) ; 30.25,15.75 v1(30.25,16.5) ; 21.25,39.25 v1(21.25,40) ; 68.75,47.25 v1(68.75,46.5) ; 77.75,47.25 v1(77.75,46.5) ; 50.75,23.75 v1(50.75,23) ; 21.25,62.75 v1(21.25,63.5) ; 86.75,47.25 v1(86.75,46.5) ; 68.75,23.75 v1(68.75,23) ; 59.75,23.75 v1(59.75,23) ; 68.75,70.75 v1(68.75,70) ; 50.75,47.25 v1(50.75,46.5) ; 39.25,39.25 v1(39.25,40) ; 86.75,23.75 v1(86.75,23) ; 59.75,70.75 v1(59.75,70) ; 86.75,70.75 v1(86.75,70) ; 77.75,70.75 v1(77.75,70) ; 59.75,47.25 v1(59.75,46.5) ; 21.25,15.75 v1(21.25,16.5) ; 77.75,23.75 v1(77.75,23)
  vias: v1(5.5,66.75) v1(5.5,43.25) v1(5.5,19.75) v1(14.5,66.75) v1(14.5,43.25) v1(14.5,19.75) v1(23.5,66.75) v1(23.5,43.25) v1(23.5,19.75) v1(32.5,66.75) v1(32.5,43.25) v1(32.5,19.75) v1(41.5,66.75) v1(41.5,43.25) v1(41.5,19.75) v1(48.5,66.75) v1(48.5,43.25) v1(48.5,19.75) v1(57.5,66.75) v1(57.5,43.25) v1(57.5,19.75) v1(66.5,66.75) v1(66.5,43.25) v1(66.5,19.75) v1(75.5,66.75) v1(75.5,43.25) v1(75.5,19.75) v1(84.5,66.75) v1(84.5,43.25) v1(84.5,19.75) v2(2,59.2) v2(2,35.7) v2(2,12.2) v2(11,59.2) v2(11,35.7) v2(11,12.2) v2(20,59.2) v2(20,35.7) v2(20,12.2) v2(29,59.2) v2(29,35.7) v2(29,12.2) v2(38,59.2) v2(38,35.7) v2(38,12.2) v2(52,74.3) v2(52,50.8) v2(52,27.3) v2(61,74.3) v2(61,50.8) v2(61,27.3) v2(70,74.3) v2(70,50.8) v2(70,27.3) v2(79,74.3) v2(79,50.8) v2(79,27.3) v2(88,74.3) v2(88,50.8) v2(88,27.3) v3(4.4,75.7) v3(4.4,52.2) v3(4.4,28.7) v3(5.2,60.7) v3(5.2,37.2) v3(5.2,13.7) v3(13.4,75.7) v3(13.4,52.2) v3(13.4,28.7) v3(14.2,60.7) v3(14.2,37.2) v3(14.2,13.7) v3(22.4,75.7) v3(22.4,52.2) v3(22.4,28.7) v3(23.2,60.7) v3(23.2,37.2) v3(23.2,13.7) v3(31.4,75.7) v3(31.4,52.2) v3(31.4,28.7) v3(32.2,60.7) v3(32.2,37.2) v3(32.2,13.7) v3(40.4,75.7) v3(40.4,52.2) v3(40.4,28.7) v3(41.2,60.7) v3(41.2,37.2) v3(41.2,13.7) v3(48.8,72.8) v3(48.8,49.3) v3(48.8,25.8) v3(49.6,57.8) v3(49.6,34.3) v3(49.6,10.8) v3(57.8,72.8) v3(57.8,49.3) v3(57.8,25.8) v3(58.6,57.8) v3(58.6,34.3) v3(58.6,10.8) v3(66.8,72.8) v3(66.8,49.3) v3(66.8,25.8) v3(67.6,57.8) v3(67.6,34.3) v3(67.6,10.8) v3(75.8,72.8) v3(75.8,49.3) v3(75.8,25.8) v3(76.6,57.8) v3(76.6,34.3) v3(76.6,10.8) v3(84.8,72.8) v3(84.8,49.3) v3(84.8,25.8) v3(85.6,57.8) v3(85.6,34.3) v3(85.6,10.8)
